# Altium PCB 2-quilter-output.pcbdoc (part 2 of 17)
Units mil, origin at the board's own origin, x right, y up, seen from the top; angles counter-clockwise.
Board outline 2728 x 2217 mil, 8 copper layers (L1_TOP, L2_GND, L3_INNER1, L4_GND, L5_PWR, L6_PWR, L7_GND, L8_BOT), stack 48.64 mil thick; 230 components, 327 nets, 1592 pads, 995 vias.
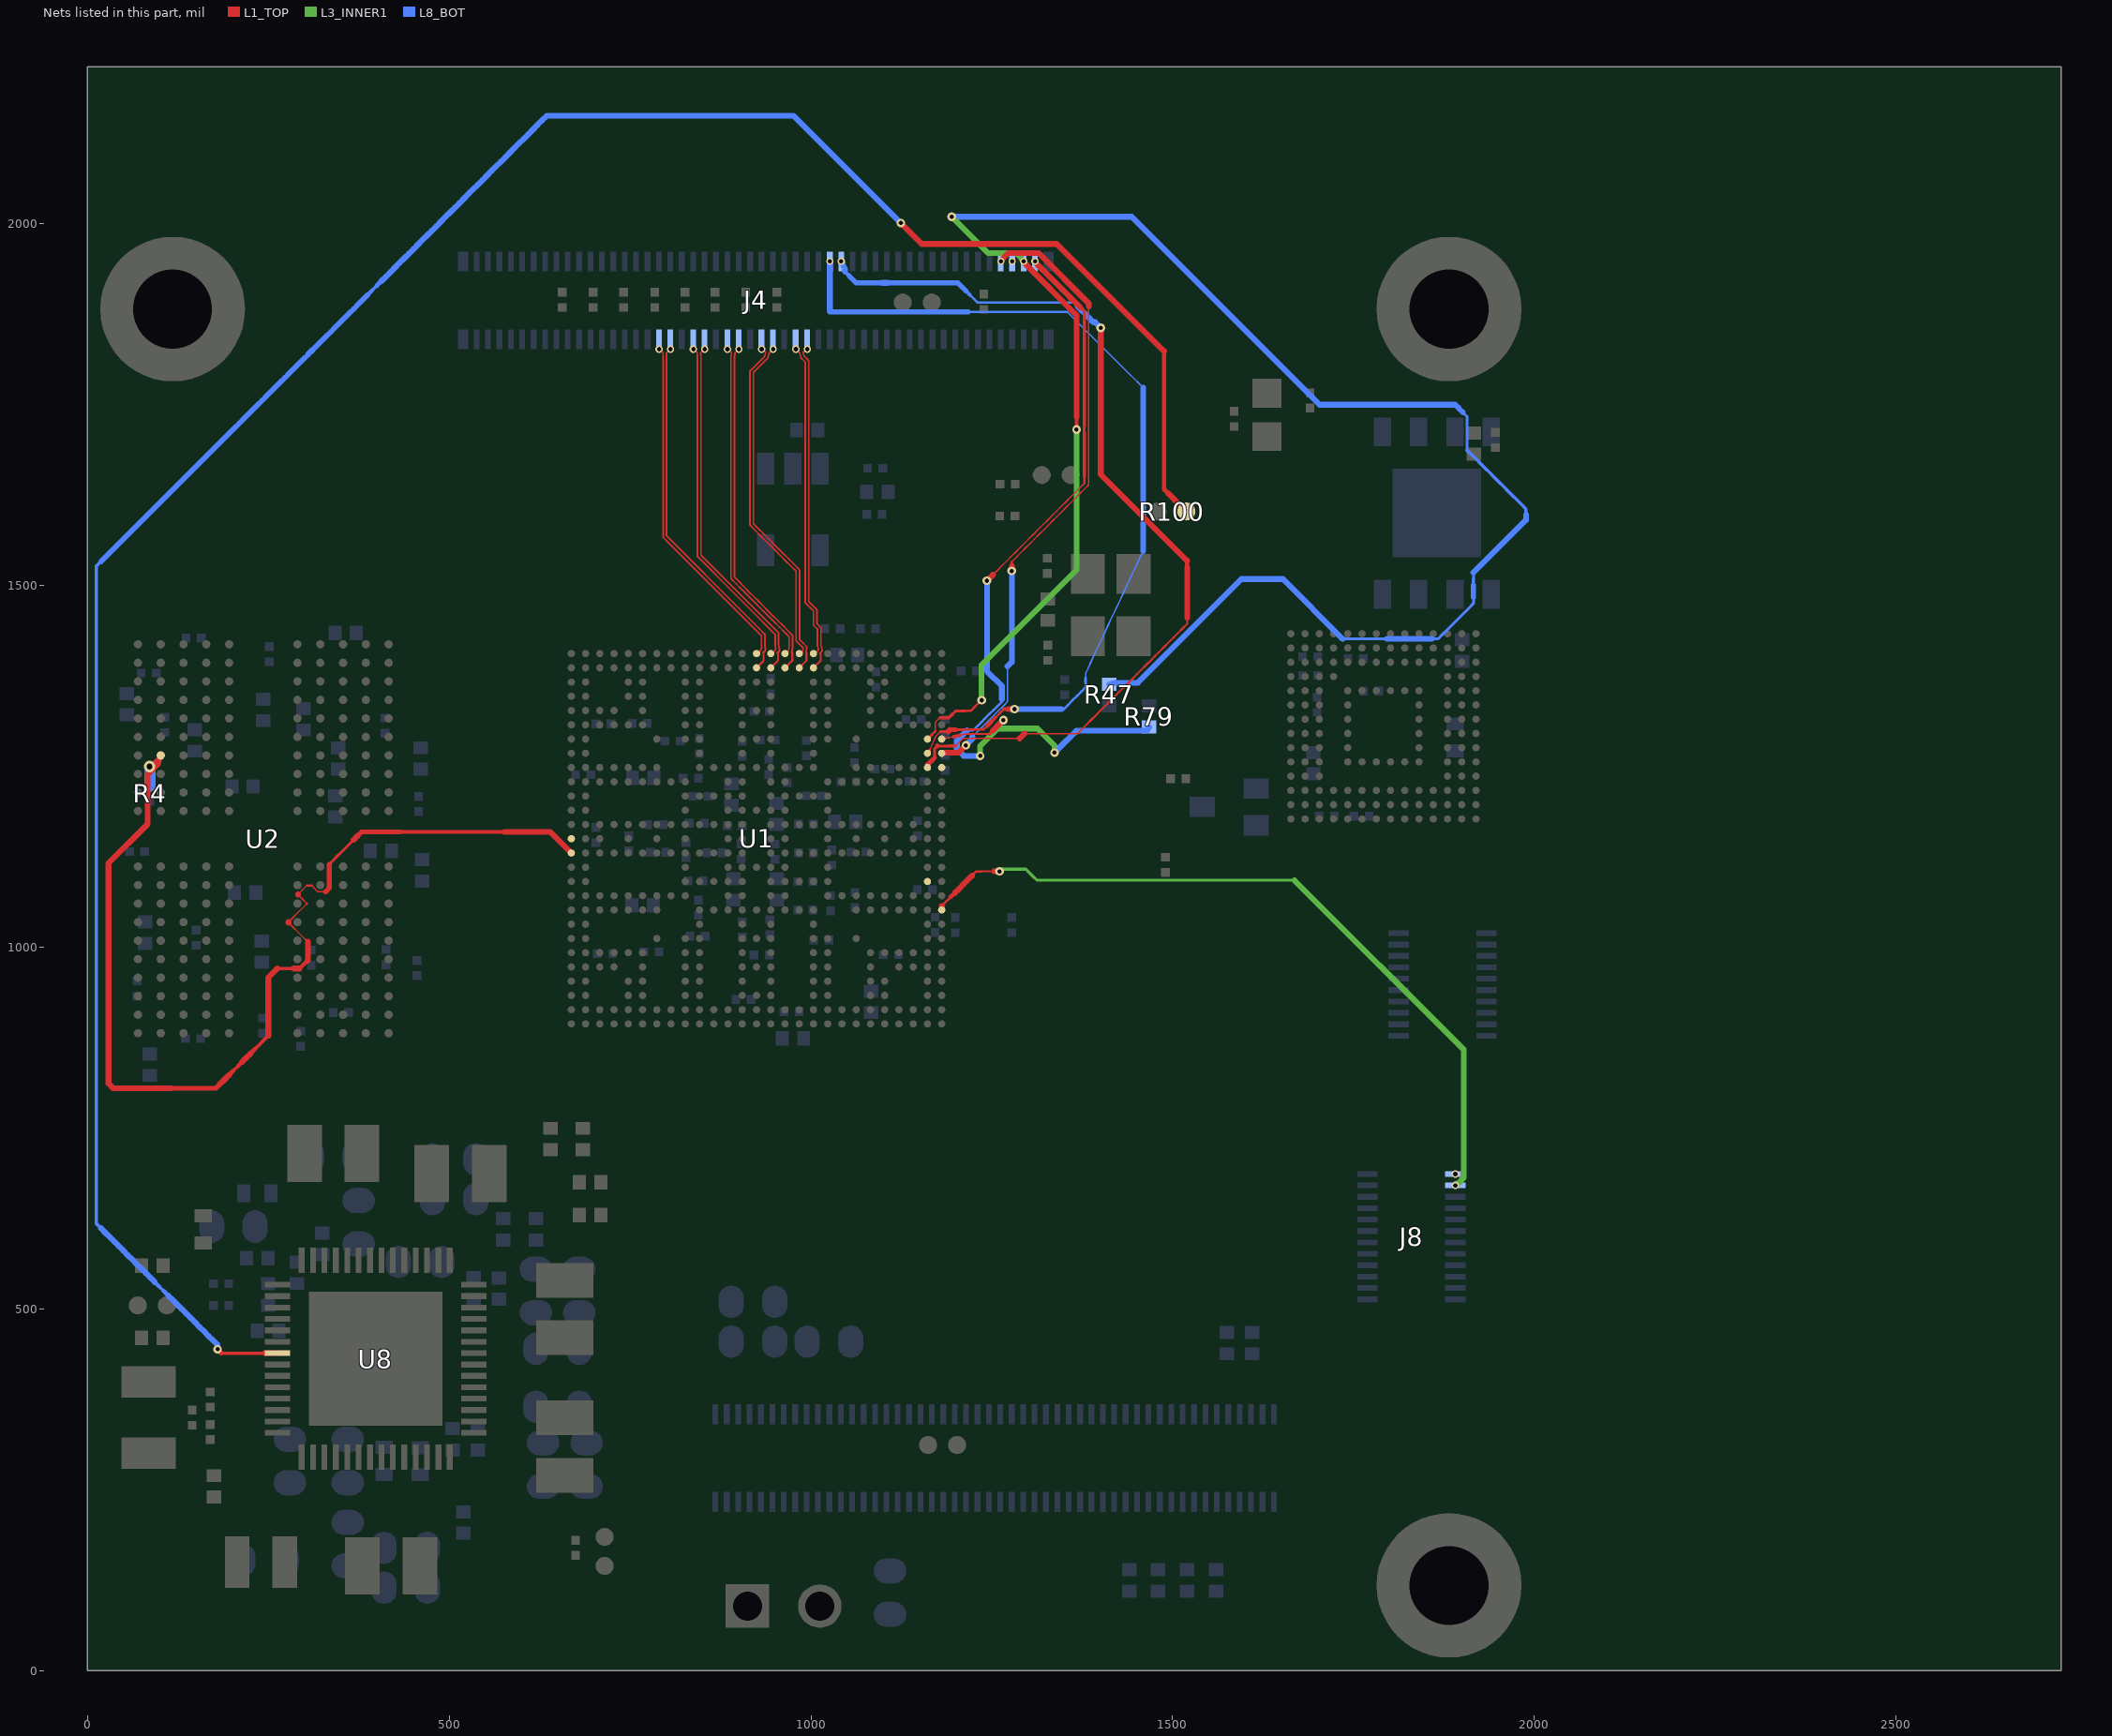
[diagram p8: the nets of this part, all layers, seen from the top]

## Footprints (in the part's own frame and the unit in brackets; to place one, negate y for a bottom-side part, rotate by r counter-clockwise, add the part's x,y. Pads: shape width x height; smd on the part's side, far side on the other; paste and mask are expansions set on the pad) (continued)
fbga153_0p5_11p5x13 [mil] "FBGA153_0P5_11P5X13"
  round 10 smd: A1(-127.95,127.95) A2(-108.27,127.95) A3(-88.58,127.95) A4(-68.9,127.95) A5(-49.21,127.95) A6(-29.53,127.95) A7(-9.84,127.95) A8(9.84,127.95) A9(29.53,127.95) A10(49.21,127.95) A11(68.9,127.95) A12(88.58,127.95) A13(108.27,127.95) A14(127.95,127.95) B1(-127.95,108.27) B2(-108.27,108.27) B3(-88.58,108.27) B4(-68.9,108.27) B5(-49.21,108.27) B6(-29.53,108.27) B7(-9.84,108.27) B8(9.84,108.27) B9(29.53,108.27) B10(49.21,108.27) B11(68.9,108.27) B12(88.58,108.27) B13(108.27,108.27) B14(127.95,108.27) C1(-127.95,88.58) C2(-108.27,88.58) C3(-88.58,88.58) C4(-68.9,88.58) C5(-49.21,88.58) C6(-29.53,88.58) C7(-9.84,88.58) C8(9.84,88.58) C9(29.53,88.58) C10(49.21,88.58) C11(68.9,88.58) C12(88.58,88.58) C13(108.27,88.58) C14(127.95,88.58) D1(-127.95,68.9) D2(-108.27,68.9) D3(-88.58,68.9) D4(-68.9,68.9) D12(88.58,68.9) D13(108.27,68.9) D14(127.95,68.9) E1(-127.95,49.21) E2(-108.27,49.21) E3(-88.58,49.21) E5(-49.21,49.21) E6(-29.53,49.21) E7(-9.84,49.21) E8(9.84,49.21) E9(29.53,49.21) E10(49.21,49.21) E12(88.58,49.21) E13(108.27,49.21) E14(127.95,49.21) F1(-127.95,29.53) F2(-108.27,29.53) F3(-88.58,29.53) F5(-49.21,29.53) F10(49.21,29.53) F12(88.58,29.53) F13(108.27,29.53) F14(127.95,29.53) G1(-127.95,9.84) G2(-108.27,9.84) G3(-88.58,9.84) G5(-49.21,9.84) G10(49.21,9.84) G12(88.58,9.84) G13(108.27,9.84) G14(127.95,9.84) H1(-127.95,-9.84) H2(-108.27,-9.84) H3(-88.58,-9.84) H5(-49.21,-9.84) H10(49.21,-9.84) H12(88.58,-9.84) H13(108.27,-9.84) H14(127.95,-9.84) J1(-127.95,-29.53) J2(-108.27,-29.53) J3(-88.58,-29.53) J5(-49.21,-29.53) J10(49.21,-29.53) J12(88.58,-29.53) J13(108.27,-29.53) J14(127.95,-29.53) K1(-127.95,-49.21) K2(-108.27,-49.21) K3(-88.58,-49.21) K5(-49.21,-49.21) K6(-29.53,-49.21) K7(-9.84,-49.21) K8(9.84,-49.21) K9(29.53,-49.21) K10(49.21,-49.21) K12(88.58,-49.21) K13(108.27,-49.21) K14(127.95,-49.21) L1(-127.95,-68.9) L2(-108.27,-68.9) L3(-88.58,-68.9) L12(88.58,-68.9) L13(108.27,-68.9) L14(127.95,-68.9) M1(-127.95,-88.58) M2(-108.27,-88.58) M3(-88.58,-88.58) M4(-68.9,-88.58) M5(-49.21,-88.58) M6(-29.53,-88.58) M7(-9.84,-88.58) M8(9.84,-88.58) M9(29.53,-88.58) M10(49.21,-88.58) M11(68.9,-88.58) M12(88.58,-88.58) M13(108.27,-88.58) M14(127.95,-88.58) N1(-127.95,-108.27) N2(-108.27,-108.27) N3(-88.58,-108.27) N4(-68.9,-108.27) N5(-49.21,-108.27) N6(-29.53,-108.27) N7(-9.84,-108.27) N8(9.84,-108.27) N9(29.53,-108.27) N10(49.21,-108.27) N11(68.9,-108.27) N12(88.58,-108.27) N13(108.27,-108.27) N14(127.95,-108.27) P1(-127.95,-127.95) P2(-108.27,-127.95) P3(-88.58,-127.95) P4(-68.9,-127.95) P5(-49.21,-127.95) P6(-29.53,-127.95) P7(-9.84,-127.95) P8(9.84,-127.95) P9(29.53,-127.95) P10(49.21,-127.95) P11(68.9,-127.95) P12(88.58,-127.95) P13(108.27,-127.95) P14(127.95,-127.95)
  silkscreen extent -266,-265 235,295, body extent -226,-256 226,256, height 36
GNDPOINT256 [mil] "GNDPOINT256"
  round 200 hole 109: 1(0,0)
HDR_1X2 [mil] "HDR_1X2"
  rect 60x60 / inner round 60 / far side rect 60x60 hole 40: 1(0,0)
  round 60 hole 40: 2(0,-100)
  L8_BOT keep-out region: -30,-35 -30,-65 30,-65 30,-35
  silkscreen extent -57,-157 57,57, body extent -51,-152 49,48, height 330
hvqfn56_0p4_7x7_ep4p7mm [mil] "HVQFN56_0P4_7X7_EP4P7MM"
  rect 35x8 smd: 1(-135.83,102.36) 2(-135.83,86.61) 3(-135.83,70.87) 4(-135.83,55.12) 5(-135.83,39.37) 6(-135.83,23.62) 7(-135.83,7.87) 8(-135.83,-7.87) 9(-135.83,-23.62) 10(-135.83,-39.37) 11(-135.83,-55.12) 12(-135.83,-70.87) 13(-135.83,-86.61) 14(-135.83,-102.36) 29(135.83,-102.36) 30(135.83,-86.61) 31(135.83,-70.87) 32(135.83,-55.12) 33(135.83,-39.37) 34(135.83,-23.62) 35(135.83,-7.87) 36(135.83,7.87) 37(135.83,23.62) 38(135.83,39.37) 39(135.83,55.12) 40(135.83,70.87) 41(135.83,86.61) 42(135.83,102.36)
  rect 8x35 smd: 15(-102.36,-135.83) 16(-86.61,-135.83) 17(-70.87,-135.83) 18(-55.12,-135.83) 19(-39.37,-135.83) 20(-23.62,-135.83) 21(-7.87,-135.83) 22(7.87,-135.83) 23(23.62,-135.83) 24(39.37,-135.83) 25(55.12,-135.83) 26(70.87,-135.83) 27(86.61,-135.83) 28(102.36,-135.83) 43(102.36,135.83) 44(86.61,135.83) 45(70.87,135.83) 46(55.12,135.83) 47(39.37,135.83) 48(23.62,135.83) 49(7.87,135.83) 50(-7.87,135.83) 51(-23.62,135.83) 52(-39.37,135.83) 53(-55.12,135.83) 54(-70.87,135.83) 55(-86.61,135.83) 56(-102.36,135.83)
  rect 185x185 smd paste-99999: 57(0,0)
  silkscreen extent -145,-145 145,145, body extent -138,-138 138,138, height 33
IND_2016A [mil] "IND_2016A"
  rect 34x71 smd: 1(-32.87,-0.08) 2(32.87,-0.08)
  silkscreen extent -45,-42 45,43, body extent -39,-24 39,24, height 37
ind_sph2520 [mil] "IND_SPH2520"
  rect 48x79 smd: 1(-39.75,0) 2(39.75,0)
  silkscreen extent -55,-50 52,50, body extent -49,-39 49,39, height 87
LED_0603 [mil] "LED_0603"
  rect 40x40 smd: A(-30,0) C(30,0)
  silkscreen extent -57,-95 57,27, body extent -33,-18 33,18, height 35
NXP_LOGO_SOLID_SMALL [mil] "NXP_LOGO_SOLID_SMALL"
  silkscreen extent 0,1 516,176
RC0402_25 [mil] "RC0402_25"
  round 25 smd: 1(-20,0) 2(20,0)
  L1_TOP keep-out region: 5,4 5,-4 5,-6.07 2.07,-9 -2.07,-9 -5,-6.07 -5,-4 -5,-4 -5,4 -5,6.07 -2.07,9 2.07,9 5,6.07 5,4
  body extent -23,-11 23,11, height 16
sc70_3 [mil] "SC70_3"
  rect 28x35 smd: 1(-25.5,-37.47) 2(25.5,-37.47) 3(0,37.47)
  silkscreen extent -51,-34 51,34, body extent -41,-45 41,45, height 39
sot23-5 [mil] "SOT23-5"
  rect 24x44 smd: 1(-37.4,-56.1) 2(0,-56.1) 3(37.4,-56.1) 4(37.4,56.1) 5(-37.4,56.1)
  silkscreen extent -69,-41 69,41, body extent -59,-55 59,55, height 46
UL_BOX [mil] "UL_BOX"
  silkscreen extent 0,0 700,200
XTAL2-3P2X1P5-SM [mil] "XTAL2-3P2X1P5-SM"
  rect 43x75 smd: 1(-49.21,0.02) 2(49.21,0.02)
  silkscreen extent -82,-48 82,48, body extent -63,-30 63,30, height 35
xtlosc4_3p2x2p5mm_sm [mil] "XTLOSC4_3P2X2P5MM_SM"
  rect 55x47 smd: 1(-43.29,-31.5) 2(43.33,-31.5) 3(43.33,31.5) 4(-43.29,31.5)
  silkscreen extent -78,-62 78,62, body extent -63,-49 63,49, height 28

## Part data
BH1 BH2 BH3: library part MOUNT_HOLE, "MOUNTING HOLE DRILL 109 PAD 200 PLATED TH NO PART TO ORDER", AGILE_PN=280-75147, ASSY_OPT=DNP, CAD_APPROVED=Yes, CLASS=IC, HEIGHT="0.005 MILS", PCB Footprint=GNDPOINT256, RoHS=Yes
  BH1: Part Reference=BH1
  BH2: Part Reference=BH2
  BH3: Part Reference=BH3
C1 C3 C5 C6 C8 C9 C17 C21 C23 C30 C99 C100 C101 C104 C114 C128 C129 C131 C132 C133 C136 C138 C235 C241 C244 C264 C370 C371 C372 C373 C374 C375 C376 C378 C379 C380 C381 C382 C384 C392 C393 C394 C400: library part CAP_NP, "CAP CER 0.22UF 10V 20% X5R 0201", Tolerance=20%, Voltage=10V, AGILE_PN=150-78815, CAD_APPROVED=Yes, CLASS=DISCRETE, HEIGHT=0.33MM, MFG_NAME01="Taiyo Yuden", MFG_PN01=LMK063BJ224MP-F, PCB Footprint=0201_CC, RoHS=Yes
  C1: FPLIST=CC0201,CC0201_HD,0201_CC,CC_0201_CIR,0201_CC_012SM_NSP, Part Reference=C1
  C3: FPLIST=CC0201,CC0201_HD,0201_CC, Part Reference=C3
  C5: FPLIST=CC0201,CC0201_HD,0201_CC, Part Reference=C5
  C6: FPLIST=CC0201,CC0201_HD,0201_CC, Part Reference=C6
  C8: FPLIST=CC0201,CC0201_HD,0201_CC, Part Reference=C8
  C9: FPLIST=CC0201,CC0201_HD,0201_CC, Part Reference=C9
  C17: FPLIST=CC0201,CC0201_HD,0201_CC, Part Reference=C17
  C21: FPLIST=CC0201,CC0201_HD,0201_CC, Part Reference=C21
  C23: FPLIST=CC0201,CC0201_HD,0201_CC, Part Reference=C23
  C30: FPLIST=CC0201,CC0201_HD,0201_CC,0201_CC_012SM_NSP, Part Reference=C30
  C99: FPLIST=CC0201,CC0201_HD,0201_CC, Part Reference=C99
  C100: FPLIST=CC0201,CC0201_HD,0201_CC, Part Reference=C100
  C101: FPLIST=CC0201,CC0201_HD,0201_CC, Part Reference=C101
  C104: FPLIST=CC0201,CC0201_HD,0201_CC, Part Reference=C104
  C114: FPLIST=CC0201,CC0201_HD,0201_CC, Part Reference=C114
  C128: FPLIST=CC0201,CC0201_HD,0201_CC, Part Reference=C128
  C129: FPLIST=CC0201,CC0201_HD,0201_CC, Part Reference=C129
  C131: FPLIST=CC0201,CC0201_HD,0201_CC, Part Reference=C131
  C132: FPLIST=CC0201,CC0201_HD,0201_CC, Part Reference=C132
  C133: FPLIST=CC0201,CC0201_HD,0201_CC, Part Reference=C133
  C136: FPLIST=CC0201,CC0201_HD,0201_CC, Part Reference=C136
  C138: FPLIST=CC0201,CC0201_HD,0201_CC, Part Reference=C138
  C235: FPLIST=CC0201,CC0201_HD,0201_CC, Part Reference=C235
  C241: FPLIST=CC0201,CC0201_HD,0201_CC, Part Reference=C241
  C244: FPLIST=CC0201,CC0201_HD,0201_CC,CC_0201_CIR,0201_CC_012SM_NSP, Part Reference=C244
  C264: FPLIST=CC0201,CC0201_HD,0201_CC, Part Reference=C264
  C370: FPLIST=CC0201,CC0201_HD,0201_CC, Part Reference=C370
  C371: FPLIST=CC0201,CC0201_HD,0201_CC, Part Reference=C371
  C372: FPLIST=CC0201,CC0201_HD,0201_CC, Part Reference=C372
  C373: FPLIST=CC0201,CC0201_HD,0201_CC, Part Reference=C373
  C374: FPLIST=CC0201,CC0201_HD,0201_CC, Part Reference=C374
  C375: FPLIST=CC0201,CC0201_HD,0201_CC, Part Reference=C375
  C376: FPLIST=CC0201,CC0201_HD,0201_CC, Part Reference=C376
  C378: FPLIST=CC0201,CC0201_HD,0201_CC, Part Reference=C378
  C379: FPLIST=CC0201,CC0201_HD,0201_CC, Part Reference=C379
  C380: FPLIST=CC0201,CC0201_HD,0201_CC, Part Reference=C380
  C381: FPLIST=CC0201,CC0201_HD,0201_CC, Part Reference=C381
  C382: FPLIST=CC0201,CC0201_HD,0201_CC, Part Reference=C382
  C384: FPLIST=CC0201,CC0201_HD,0201_CC, Part Reference=C384
  C392: FPLIST=CC0201,CC0201_HD,0201_CC, Part Reference=C392
  C393: FPLIST=CC0201,CC0201_HD,0201_CC, Part Reference=C393
  C394: FPLIST=CC0201,CC0201_HD,0201_CC, Part Reference=C394
  C400: FPLIST=CC0201,CC0201_HD,0201_CC, Part Reference=C400
C2 C11 C12 C13: library part CAP_NP, "CAP CER 2.2uF 16V 10% X5R 0402", Package Size=0402, Temp Range="-55C to +85C", Tolerance=10%, Voltage=16V, AGILE_PN=150-80176, CAD_APPROVED=Yes, CLASS=DISCRETE, FPLIST=CC0402_25,CC0402_HD,0402_CC, HEIGHT=0.6MM, MFG_NAME01=MURATA, MFG_PN01=GRM155R61C225KE44, PCB Footprint=0402_CC, RoHS=Yes, Temp_Range="-55C to +85C"
  C2: Part Reference=C2
  C11: Part Reference=C11
  C12: Part Reference=C12
  C13: Part Reference=C13
C10 C406 C407: library part CAP_NP, "CAP CER 1.0UF 10V 10% X5R 0402", Package Size=0402, Voltage=10V, AGILE_PN=150-75772, CAD_APPROVED=Yes, CLASS=DISCRETE, FPLIST=CC0402_25,CC0402_HD,0402_CC, HEIGHT=0.6MM, MFG_NAME01="YAGEO AMERICA", MFG_PN01=CC0402KRX5R6BB105, PCB Footprint=0402_CC, RoHS=Yes
  C10: Part Reference=C10
  C406: Part Reference=C406
  C407: Part Reference=C407
C15 C16 C35 C36 C48 C54 C61 C65 C74 C78 C90 C91 C92 C93 C94 C95 C137 C248 C251 C253 C254 C255 C256 C267 C333 C337 C391 C408: library part CAP_NP, "CAP CER 1uF 6.3V 20% X5R 0201", Package Size=0201, Package Type="7¡± reel", Tolerance=20%, Voltage=6.3V, AGILE_PN=150-79407, CAD_APPROVED=Yes, CLASS=DISCRETE, FPLIST=CC0201,CC0201_HD,0201_CC,0201_CC_012SM_NSP, HEIGHT=0.35MM, MFG_NAME01=AVX, MFG_PN01=02016D105MAT2A, PCB Footprint=0201_CC, RoHS=Yes
  C15: Part Reference=C15
  C16: Part Reference=C16
  C35: Part Reference=C35
  C36: Part Reference=C36
  C48: Part Reference=C48
  C54: Part Reference=C54
  C61: Part Reference=C61
  C65: Part Reference=C65
  C74: Part Reference=C74
  C78: Part Reference=C78
  C90: Part Reference=C90
  C91: Part Reference=C91
  C92: Part Reference=C92
  C93: Part Reference=C93
  C94: Part Reference=C94
  C95: Part Reference=C95
  C137: Part Reference=C137
  C248: Part Reference=C248
  C251: Part Reference=C251
  C253: Part Reference=C253
  C254: Part Reference=C254
  C255: Part Reference=C255
  C256: Part Reference=C256
  C267: Part Reference=C267
  C333: Part Reference=C333
  C337: Part Reference=C337
  C391: Part Reference=C391
  C408: Part Reference=C408
C20 C33 C55 C88 C89 C105 C106 C108 C109 C110 C111 C112 C113 C115 C117 C118 C119 C130 C139 C247 C265 C266: library part CAP_NP, "CAP CER 10UF 6.3V 20% X5R 0402", Tolerance=20%, Voltage=6.3V, 3D_Mechanical_Footprint_File=cc0402_tol0p2, AGILE_PN=150-79163, CAD_APPROVED=Yes, CLASS=DISCRETE, FPLIST=CC0402_25,CC0402_HD,0402_CC, HEIGHT="0.7 MM", MFG_NAME01="SAMSUNG ELECTRO MECHANICS", MFG_PN01=CL05A106MQ5NUNC, PCB Footprint=0402_cc_nsp, RoHS=Yes
  C20: Part Reference=C20
  C33: Part Reference=C33
  C55: Part Reference=C55
  C88: Part Reference=C88
  C89: Part Reference=C89
  C105: Part Reference=C105
  C106: Part Reference=C106
  C108: Part Reference=C108
  C109: Part Reference=C109
  C110: Part Reference=C110
  C111: Part Reference=C111
  C112: Part Reference=C112
  C113: Part Reference=C113
  C115: Part Reference=C115
  C117: Part Reference=C117
  C118: Part Reference=C118
  C119: Part Reference=C119
  C130: Part Reference=C130
  C139: Part Reference=C139
  C247: Part Reference=C247
  C265: Part Reference=C265
  C266: Part Reference=C266
C123 C124: library part CAP_NP, "CAP CER 12PF 25V 5% C0G AEC-Q200 0201", Tolerance=5%, Voltage=25V, AGILE_PN=150-79813, CAD_APPROVED=Yes, CLASS=DISCRETE, FPLIST=CC0201,CC0201_HD,0201_CC, HEIGHT=0.33MM, MFG_NAME01=TDK, MFG_PN01=CGA1A2C0G1E120J030BA, PCB Footprint=0201_CC, RoHS=Yes
  C123: Part Reference=C123
  C124: Part Reference=C124
C127 C234 C260 C323 C360 C363 C410: library part CAP_NP, "CAP CER 4.7uF 10V 10% X5R 0402", Tolerance=10%, Voltage=10V, 3D_Mechanical_Footprint_File=cc0402_tol0p15, AGILE_PN=150-80044, CAD_APPROVED=Yes, CLASS=DISCRETE, FPLIST=CC0402_25,CC0402_HD,0402_CC, HEIGHT=0.65MM, MFG_NAME01="SAMSUNG ELECTRO MECHANICS", MFG_PN01=CL05A475KP5NRNC, RoHS=Yes
  C127: Part Reference=C127, PCB Footprint=cc0402_tol0p15
  C234: Part Reference=C234, PCB Footprint=0402_cc_nsp
  C260: Part Reference=C260, PCB Footprint=0402_cc_nsp
  C323: Part Reference=C323, PCB Footprint=cc0402_tol0p15
  C360: Part Reference=C360, PCB Footprint=cc0402_tol0p15
  C363: Part Reference=C363, PCB Footprint=cc0402_tol0p15
  C410: Part Reference=C410, PCB Footprint=cc0402_tol0p15
C245 C298 C299: library part CAP_NP, "CAP CER 18pF 50V 5% C0G 0201", Package Size=0201, Package Type="&#966;180mm Paper taping", Tolerance=5%, Voltage=50V, AGILE_PN=150-79476, CAD_APPROVED=Yes, CLASS=DISCRETE, FPLIST=CC0201,CC0201_HD,0201_CC, HEIGHT=0.33MM, MFG_NAME01=MURATA, MFG_PN01=GRM0335C1H180JA01D, PCB Footprint=0201_CC, RoHS=Yes
  C245: Part Reference=C245
  C298: Part Reference=C298
  C299: Part Reference=C299
C268: library part CAP_NP, "CAP CER 2200PF 16V 10% X7R 0201", Tolerance=20%, Voltage=16V, AGILE_PN=150-78660, CAD_APPROVED=Yes, CLASS=DISCRETE, FPLIST=CC0201,CC0201_HD,0201_CC, HEIGHT="0.33 MM", MFG_NAME01=MURATA, MFG_PN01=GRM033R71C222KA88D, Part Reference=C268, PCB Footprint=0201_CC, RoHS=Yes
C275 C283 C285 C287 C303 C304 C311 C312 C317 C324 C403 C404: library part CAP_NP, "CAP CER 22uF 10V 20% X5R 0603", Package Size=0603, Tolerance=20%, Voltage=10V, AGILE_PN=150-79530, CAD_APPROVED=Yes, CLASS=DISCRETE, FPLIST=CC0603_OV,CC0603,0603_CC, HEIGHT=1MM, MFG_NAME01=TDK, MFG_PN01=C1608X5R1A226M080AC, PCB Footprint=CC0603_OV, RoHS=Yes, SIGNAL_MODEL=DEFAULT_CAPACITOR_2.2e+07pF_2_1, WVDC=6.3V
  C275: Part Reference=C275
  C283: Part Reference=C283
  C285: ASSY_OPT=DNP, Part Reference=C285
  C287: ASSY_OPT=DNP, Part Reference=C287
  C303: Part Reference=C303
  C304: ASSY_OPT=DNP, Part Reference=C304
  C311: Part Reference=C311
  C312: Part Reference=C312
  C317: Part Reference=C317
  C324: Part Reference=C324
  C403: Part Reference=C403
  C404: Part Reference=C404
C279 C281 C295 C301 C306 C307 C316 C401 C402: library part CAP_NP, "CAP CER 10.0uF 16V 10% X5R 0603", Package Size=0603, Package Type=SMT, Temp Range="-55¡ãC to +85¡ãC", Tolerance=10%, Voltage=16V, AGILE_PN=150-80060, CAD_APPROVED=Yes, CLASS=DISCRETE, FPLIST=CC0603_OV,CC0603,0603_CC,cc0603_0805_nsp, HEIGHT=0.9MM, MFG_NAME01=MURATA, MFG_PN01=GRM188R61C106KAALD, PCB Footprint=CC0603_OV, RoHS=Yes, Temp_Range="-55¡ãC to +85¡ãC"
  C279: Part Reference=C279
  C281: Part Reference=C281
  C295: Part Reference=C295
  C301: Part Reference=C301
  C306: Part Reference=C306
  C307: Part Reference=C307
  C316: Part Reference=C316
  C401: Part Reference=C401
  C402: Part Reference=C402
C365: library part CAP_NP, "CAP CER 1.0UF 16V 10% X5R 0603", Package Size=0603, Tolerance=10%, Voltage=16V, AGILE_PN=150-30124, CAD_APPROVED=Yes, CLASS=DISCRETE, FPLIST=CC0603_OV,CC0603,0603_CC, HEIGHT=0.90MM, MFG_NAME01=TDK, MFG_PN01=C1608X5R1C105K, Part Reference=C365, PCB Footprint=CC0603_OV, RoHS=Yes
C405: library part CAP_NP, "CAP CER 2.2uF 10V 10% X5R 0402", Package Size=0402, Tolerance=10%, Voltage=10V, AGILE_PN=150-78974, ASSY_OPT=DNP, CAD_APPROVED=Yes, CLASS=DISCRETE, FPLIST=CC0402_25,CC0402_HD,0402_CC, HEIGHT="0.55 MM", MFG_NAME01=TDK, MFG_PN01=C1005X5R1A225K, Part Reference=C405, PCB Footprint=0402_CC, RoHS=Yes
D1: library part LED, "LED GRN SGL 25MA SMT 0603", Voltage=2V, AGILE_PN=370-76672, CAD_APPROVED=Yes, CLASS=IC, HEIGHT="0.8 MM", MFG_NAME01=DIALIGHT, MFG_PN01=598-8070-107F, Part Reference=D1, PCB Footprint=LED_0603, RoHS=Yes
J4: library part HDR_2X50_M, "CON 2X50 PLUG SHRD SMT 0.4MM SP 51H AU", Temp Range="-35 to 85 &#8451;", AGILE_PN=211-80305, CAD_APPROVED=Yes, CLASS=IO, HEIGHT=1.29MM, MFG_NAME01=HIROSE, MFG_PN01=DF40C-100DP-0.4V(51), Part Reference=J4, PCB Footprint=con100_0p4_21p7x2p05_sm, RoHS=Yes, Temp_Range="-35 to 85 &#8451;"
J5: library part HDR_2X50_M, "CON 2X50 SKT SHRD SMT 0.4MM SP 65H AU", Package Type=SMT, Temp Range="-35C to +85C", AGILE_PN=211-80183, CAD_APPROVED=Yes, CLASS=IO, HEIGHT="1.65 MM", MFG_NAME01=HIROSE, MFG_PN01=DF40C-100DS-0.4V(51), Part Reference=J5, PCB Footprint=con100_0p4_22p8x3p1_sm, RoHS=Yes, Temp_Range="-35C to +85C"
J6: library part CONN_HDR_2X1, "HDR 1X2 TH 100MIL SP 339H AU 98L", Temp Range="-55¡ãC to +125¡ãC", AGILE_PN=210-75439, ASSY_OPT=DNP, CAD_APPROVED=YES, CLASS=IO, FPLIST=HDR102,SH_HDR102_BOTTOM, HEIGHT="8.71 MM", MFG_NAME01=SAMTEC, MFG_PN01=TSW-102-07-G-S, Part Reference=J6, PCB Footprint=HDR_1X2, RoHS=Yes
J7: library part CONN_HDR_10X2, "CON 2X10 SKT SHRD SMT 0.4MM SP 63H AU", Temp Range="-35C to 85C", AGILE_PN=211-80328, CAD_APPROVED=Yes, CLASS=IO, HEIGHT=1.6MM, MFG_NAME01=HIROSE, MFG_PN01=DF40C-20DS-0.4V(51), Part Reference=J7, PCB Footprint=con20_0p4_6p8x3p1_sm, RoHS=Yes, Temp_Range="-35C to 85C"
J8: library part CONN_HDR_12X2, "CON 2X12 SKT SHRD SMT 0.4MM SP 65H AU", Package Type=SMT, AGILE_PN=211-79877, CAD_APPROVED=Yes, CLASS=IO, HEIGHT=1.65MM, MFG_NAME01=HIROSE, MFG_PN01=DF40C-24DS-0.4V(51), Part Reference=J8, PCB Footprint=con24_0p4_7p6x3p08_sm, RoHS=Yes
L5 L6 L10 L15: library part INDUCTOR, "IND PWR 0.47uH@1MHZ 4.7A 20% SMT", Temp Range="-40¡ãC to +125¡ãC", Tolerance=20%, AGILE_PN=180-78647, CAD_APPROVED=Yes, CLASS=DISCRETE, HEIGHT=1.2MM, MFG_NAME01="SHENZHEN SUNLORD ELECTRONICS CO., LTD", MFG_PN01=WPN252012ER47MT, PART_TYPE=INDUCTOR\POWER, PCB Footprint=ind_sph2520, RoHS=Yes, Temp_Range="-40¡ãC to +125¡ãC", TOL=20%
  L5: Part Reference=L5, SILK=0V8
  L6: Part Reference=L6, SILK=0V9
  L10: Part Reference=L10, SILK=0V9
  L15: Part Reference=L15, SILK=1V1
L11: library part INDUCTOR, "IND PWR 1uH@1MHZ 4.2A 20% SMT", Temp Range="-40C - +125C", AGILE_PN=180-78601, CAD_APPROVED=Yes, CLASS=DISCRETE, HEIGHT=1.2MM, MFG_NAME01="SHENZHEN SUNLORD ELECTRONICS CO., LTD", MFG_PN01=WPN252012H1R0MT, Part Reference=L11, PART_TYPE=INDUCTOR\POWER, PCB Footprint=ind_sph2520, RoHS=Yes, SILK=3V3, Temp_Range="-40C - +125C"
L13: library part INDUCTOR, "IND WW 0.47uH@1MHz 3.4A 20% 2016", Temp Range="-40C to +85C", Tolerance=20%, Voltage="20V DC", AGILE_PN=180-78630, CAD_APPROVED=Yes, CLASS=DISCRETE, HEIGHT=1.2MM, MFG_NAME01=MURATA, MFG_PN01=1286AS-H-R47M=P2, Part Reference=L13, PART_TYPE=INDUCTOR, PCB Footprint=IND_2016A, RoHS=Yes, SILK=1V8, Temp_Range="-40C to +85C"
Q1: library part NMOS_NX3008NBK, "TRAN NMOS SW 30V 350mA AEC-Q101 SC-70", AGILE_PN=480-79736, CAD_APPROVED=Yes, CLASS=IC, HEIGHT=1.1MM, MFG_NAME01=NEXPERIA, MFG_PN01=NX3008NBKW,115, Part Reference=Q1, PCB Footprint=sc70_3, RoHS=Yes
QZ2: library part XTAL, "XTAL 32.768KHZ 12.5PF 20PPM 3.2X1.5MM SMT", AGILE_PN=230-77653, CAD_APPROVED=Yes, CLASS=IC, HEIGHT=0.9MM, MFG_NAME01="Abracon Corporation", MFG_PN01=ABS07-32.768KHZ-T, Part Reference=QZ2, PCB Footprint=XTAL2-3P2X1P5-SM, RoHS=Yes
R4 R18 R23 R117 R118 R119 R120 R121 R122 R123 R124: library part RES, "RES MF 10K 1/20W 5% 0201", Tolerance=5%, AGILE_PN=470-79719, CAD_APPROVED=Yes, CLASS=DISCRETE, FPLIST=RC0201,0201_CC, HEIGHT="0.26 MM", MFG_NAME01="RALEC ELECTRONIC CORP", MFG_PN01=RTT01103JTH, PCB Footprint=0201_CC, RoHS=Yes
  R4: Part Reference=R4
  R18: Part Reference=R18
  R23: Part Reference=R23
  R117: ASSY_OPT=DNP, Part Reference=R117
  R118: ASSY_OPT=DNP, Part Reference=R118
  R119: ASSY_OPT=DNP, Part Reference=R119
  R120: ASSY_OPT=DNP, Part Reference=R120
  R121: ASSY_OPT=DNP, Part Reference=R121
  R122: ASSY_OPT=DNP, Part Reference=R122
  R123: ASSY_OPT=DNP, Part Reference=R123
  R124: ASSY_OPT=DNP, Part Reference=R124
R5 R6 R7: library part RES, "RES MF 240 OHM 1/20W 1% 0201", Temp Range="-55¡ãC ~ 125¡ãC", Tolerance=1%, Voltage=25V, AGILE_PN=470-81317, CAD_APPROVED=Yes, CLASS=DISCRETE, FPLIST=CC0201,CC0201_HD,0201_CC, HEIGHT=0.26MM, MFG_NAME01="YAGEO AMERICA", MFG_PN01=RC0201FR-07240RL, PCB Footprint=0201_CC, RoHS=Yes, Temp_Range="-55¡ãC ~ 125¡ãC"
  R5: Part Reference=R5
  R6: ASSY_OPT=DNP, Part Reference=R6
  R7: Part Reference=R7
R8 R9: library part RES, "RES MF 150 OHM 1/16W 1% 0402", Tolerance=1%, AGILE_PN=470-75353, ASSY_OPT=DNP, CAD_APPROVED=Yes, CLASS=DISCRETE, FPLIST=RC0402_25,RC0402_HD,0402_CC, HEIGHT=0.4MM, MFG_NAME01="NIC COMPONENTS CORP", MFG_PN01=NRCL04F1500TRF, PCB Footprint=0402_CC, RoHS=Yes
  R8: Part Reference=R8
  R9: Part Reference=R9
R10 R11 R12 R13 R14 R15 R16 R17 R133: library part RES, "RES MF 4.7K 1/20W 5% AEC-Q200 0201", Temp Range="-55C to +155C", Tolerance=5%, AGILE_PN=470-79700, CAD_APPROVED=Yes, CLASS=DISCRETE, FPLIST=RC0201,0201_CC, HEIGHT=0.25MM, MFG_NAME01="KOA SPEER", MFG_PN01=RK73B1HTTC472J, PCB Footprint=0201_CC, RoHS=Yes, Temp_Range="-55C to +155C"
  R10: Part Reference=R10
  R11: Part Reference=R11
  R12: Part Reference=R12
  R13: Part Reference=R13
  R14: Part Reference=R14
  R15: Part Reference=R15
  R16: ASSY_OPT=DNP, Part Reference=R16
  R17: ASSY_OPT=DNP, Part Reference=R17
  R133: Part Reference=R133
R20 R21 R102 R103 R106 R135: library part RES, "RES MF 100K 1/20W 1% 0201", Tolerance=1%, AGILE_PN=470-77704, CAD_APPROVED=Yes, CLASS=DISCRETE, FPLIST=RC0201,0201_CC, HEIGHT=0.26MM, MFG_NAME01=SKYMOS, MFG_PN01=RC-0201-104FT, PCB Footprint=0201_CC, RoHS=Yes
  R20: Part Reference=R20
  R21: Part Reference=R21
  R102: ASSY_OPT=DNP, Part Reference=R102
  R103: Part Reference=R103
  R106: Part Reference=R106
  R135: Part Reference=R135
R26: library part RES, "RES MF 510K 1/16W 5% 0402", Tolerance=5%, AGILE_PN=470-76166, CAD_APPROVED=Yes, CLASS=DISCRETE, FPLIST=RC0402_25,RC0402_HD,0402_CC, HEIGHT="0.4 MM", MFG_NAME01=PANASONIC, MFG_PN01=ERJ-2GEJ514X, Part Reference=R26, PCB Footprint=0402_CC, RoHS=Yes
R28: library part RES, "RES MF 8.2K  1/10W 1% AEC-Q200 0402", Temp Range="-55¡ãC to +155¡ãC", Tolerance=1%, AGILE_PN=470-30937, CAD_APPROVED=Yes, CLASS=DISCRETE, FPLIST=RC0402_25,RC0402_HD,0402_CC, HEIGHT="0.40 MM", MFG_NAME01="KOA SPEER", MFG_PN01=RK73H1ETTP8201F, Part Reference=R28, PCB Footprint=0402_CC, RoHS=Yes, Temp_Range="-55¡ãC to +155¡ãC"
R29 R30: library part RES, "RES MF 200 OHM 1/20W 1% 0201", Temp Range="-55¡ãC ~ 125¡ãC", Tolerance=1%, Voltage=25V, AGILE_PN=470-82323, CAD_APPROVED=Yes, CLASS=DISCRETE, FPLIST=RC0201,0201_CC, HEIGHT=0.26MM, MFG_NAME01="YAGEO AMERICA", MFG_PN01=RC0201FR-07200RL, PCB Footprint=0201_CC, RoHS=Yes, Temp_Range="-55¡ãC ~ 125¡ãC"
  R29: Part Reference=R29
  R30: Part Reference=R30
R37 R47 R71 R72 R75 R76 R79 R95 R97: library part RES, "RES MF 10K 1/16W 5% 0402", Tolerance=5%, AGILE_PN=470-75557, CAD_APPROVED=Yes, CLASS=DISCRETE, FPLIST=RC0402_25,RC0402_HD,0402_CC, HEIGHT="0.4 MM", MFG_NAME01="VISHAY INTERTECHNOLOGY", MFG_PN01=CRCW040210K0JNED, PCB Footprint=0402_CC, RoHS=Yes
  R37: Part Reference=R37
  R47: ASSY_OPT=DNP, Part Reference=R47, TOL=5%
  R71: ASSY_OPT=DNP, Part Reference=R71, TOL=5%
  R72: ASSY_OPT=DNP, Part Reference=R72, TOL=5%
  R75: ASSY_OPT=DNP, Part Reference=R75, TOL=5%
  R76: ASSY_OPT=DNP, Part Reference=R76, TOL=5%
  R79: ASSY_OPT=DNP, Part Reference=R79, TOL=5%
  R95: ASSY_OPT=DNP, Part Reference=R95, TOL=5%
  R97: ASSY_OPT=DNP, Part Reference=R97, TOL=5%
R48 R51 R52 R54 R55 R100 R111 R113 R114 R116 R127 R134 R140 R141 R142 R143 R144 R145 R146: library part RES, "RES MF ZERO OHM 1/16W 5% 0402", Tolerance=5%, Voltage=1/16W, AGILE_PN=470-75394, CAD_APPROVED=Yes, CLASS=DISCRETE, HEIGHT="0.45 MM", MFG_NAME01=ROHM, MFG_PN01=MCR01MZPJ000, RoHS=Yes
  R48: FPLIST=RC0402_25,RC0402_HD,RC0402_X2,0402_CC, Part Reference=R48, PCB Footprint=0402_CC
  R51: Part Reference=R51, PCB Footprint=0402_CC
  R52: FPLIST=RC0402_25,RC0402_HD,RC0402_X2,0402_CC, Part Reference=R52, PCB Footprint=0402_CC
  R54: FPLIST=RC0402_25,RC0402_HD,RC0402_X2,0402_CC, Part Reference=R54, PCB Footprint=0402_CC
  R55: FPLIST=RC0402_25,RC0402_HD,RC0402_X2,0402_CC, Part Reference=R55, PCB Footprint=RC0402_25
  R100: Part Reference=R100, PCB Footprint=RC0402_25, SIGNAL_MODEL=DEFAULT_RESISTOR_10000OHM_2_1, TOL=1%
  R111: Part Reference=R111, PCB Footprint=0402_CC, SIGNAL_MODEL=DEFAULT_RESISTOR_10000OHM_2_1, TOL=1%
  R113: FPLIST=RC0402_25,RC0402_HD,RC0402_X2,0402_CC, Part Reference=R113, PCB Footprint=RC0402_25, SIGNAL_MODEL=DEFAULT_RESISTOR_10000OHM_2_1, TOL=1%
  R114: Part Reference=R114, PCB Footprint=0402_CC
  R116: ASSY_OPT=DNP, Part Reference=R116, PCB Footprint=RC0402_25
  R127: FPLIST=RC0402_25,RC0402_HD,RC0402_X2,0402_CC, Part Reference=R127, PCB Footprint=RC0402_25
  R134: Part Reference=R134, PCB Footprint=RC0402_25, SIGNAL_MODEL=DEFAULT_RESISTOR_10000OHM_2_1, TOL=1%
  R140: ASSY_OPT=DNP, FPLIST=RC0402_25,RC0402_HD,RC0402_X2,0402_CC, Part Reference=R140, PCB Footprint=0402_CC
  R141: FPLIST=RC0402_25,RC0402_HD,RC0402_X2,0402_CC, Part Reference=R141, PCB Footprint=0402_CC
  R142: ASSY_OPT=DNP, FPLIST=RC0402_25,RC0402_HD,RC0402_X2,0402_CC, Part Reference=R142, PCB Footprint=0402_CC
  R143: FPLIST=RC0402_25,RC0402_HD,RC0402_X2,0402_CC, Part Reference=R143, PCB Footprint=0402_CC
  R144: ASSY_OPT=DNP, FPLIST=RC0402_25,RC0402_HD,RC0402_X2,0402_CC, Part Reference=R144, PCB Footprint=0402_CC
  R145: FPLIST=RC0402_25,RC0402_HD,RC0402_X2,0402_CC, Part Reference=R145, PCB Footprint=0402_CC
  R146: Part Reference=R146, PCB Footprint=0402_CC
R57: library part RES, "RES MF 1.0M 1/20W 5% AEC-Q200 0201", Temp Range="55¡ãC ~ 125¡ãC", Tolerance=5%, Voltage=25V, AGILE_PN=470-79975, ASSY_OPT=DNP, CAD_APPROVED=Yes, CLASS=DISCRETE, FPLIST=RC0201,0201_CC, HEIGHT=0.26MM, MFG_NAME01=PANASONIC, MFG_PN01=ERJ-1GNJ105C, Part Reference=R57, PCB Footprint=0201_CC, RoHS=Yes, Temp_Range="55¡ãC ~ 125¡ãC"
R108 R109: library part RES, "RES MF 30K 1/20W 1% 0201", Temp Range="-55¡ãC ~ 155¡ãC", Tolerance=1%, Voltage=25V, AGILE_PN=470-81353, CAD_APPROVED=Yes, CLASS=DISCRETE, FPLIST=RC0201,0201_CC, HEIGHT=0.26MM, MFG_NAME01="YAGEO AMERICA", MFG_PN01=RC0201FR-0730KL, PCB Footprint=0201_CC, RoHS=Yes, Temp_Range="-55¡ãC ~ 155¡ãC"
  R108: Part Reference=R108
  R109: Part Reference=R109
R125: library part RES, "RES MF 1.0K 1/20W 5% 0201", Temp Range="-55¡ãC ~ 125¡ãC", Tolerance=5%, Voltage=25V, AGILE_PN=470-81318, CAD_APPROVED=Yes, CLASS=DISCRETE, FPLIST=RC0201,0201_CC, HEIGHT=0.26MM, MFG_NAME01="WALSIN TECHNOLOGY CORP.", MFG_PN01="WR02X102 JAL", Part Reference=R125, PCB Footprint=0201_CC, RoHS=Yes, Temp_Range="-55¡ãC ~ 125¡ãC"
U1: library part MIMX8MM_BGA486P, "IC CPU QUAD CORTEX A53+M4 1.8GHZ BGA486", AGILE_PN=TMP-WF-32905, CAD_APPROVED=Yes, CLASS=IC, ClassName=CPU, HEIGHT=1.25MM, MFG_NAME01="NXP SEMICONDUCTORS", MFG_PN01=MIMX8MM6DVTLZAA, Part Reference=U1, PCB Footprint=bga486_0p5_14x14, PRE_APN=330-77072, RoHS=Yes, SPLIT_INST=TRUE
U2: library part MT53D512M32D2DS_BGA200P, "IC MEM MOBILE LPDDR4 DUAL-CH SINGLE RANK DISCRETE 512MbX32 1.1V  WFBGA200", Temp Range="-25¡ãC - 85¡ãC", AGILE_PN=334-77927, CAD_APPROVED=Yes, CLASS=IC, HEIGHT=0.8MM, MFG_NAME01=MICRON, MFG_PN01="MT53E512M32D2NP-046 WT:F", Part Reference=U2, PCB Footprint=bga200_0p65x0p8_10p1x14p6, RoHS=Yes, SPLIT_INST=TRUE, SWAP_INFO=(S1+S2)
U4: library part SDINBDG4-16G_VFBGA_153P, "IC MEM NAND FLASH 32GB eMMC 5.1 CTLR 2.7-3.6V FBGA153", Package Size="11.5 mm x 13 mm x 1 mm", Supply Voltage="2.7 V to 3.6 V", Temp Range="-25¡ãC to +85¡ãC", Voltage=2.7-3.6V, AGILE_PN=342-00840, CLASS=IC, HEIGHT=1MM, MFG_NAME01=SanDisk, MFG_PN01=SDINBDG4-32G-I1, Part Reference=U4, PCB Footprint=fbga153_0p5_11p5x13, RoHS=YES
U5: library part MT25QL256ABA1EW9_9P, "IC MEM FLASH SERIAL NOR 256MBIT 166MHZ 1.7-2V WPDFN8", Voltage=1.7-2V, AGILE_PN=334-77688, CAD_APPROVED=Yes, CLASS=IC, HEIGHT="0.8 MM", MFG_NAME01=MICRON, MFG_PN01=MT25QU256ABA1EW7-0SIT, Part Reference=U5, PCB Footprint=dfn8_1p27_6x5mm_3p1, RoHS=Yes
U8: library part PCA9450_HVQFN56P_A, "IC POWER MANAGEMENT 2.7-5.5V HVQFN56", Temp Range="-40 to 105C", Voltage=2.7-5.5V, AGILE_PN=TMP-WF-35243, CAD_APPROVED=Yes, CLASS=IC, HEIGHT=1MM, MFG_NAME01="NXP SEMICONDUCTORS", MFG_PN01=PCA9450AAHN, Part Reference=U8, PCB Footprint=hvqfn56_0p4_7x7_ep4p7mm, PRE_APN=315-82190, RoHS=Yes, SPLIT_INST=TRUE, SWAP_INFO=(S1+S2+S3), Temp_Range="-40 to 105C"
U10: library part NCV571_5P, "IC LIN VREG LDO 1.2V 150mA 1.5-5.5V SOT23-5", Temp Range="-40¡ã C to + 125¡ã C", 3D_Mechanical_Footprint_File=sot23-5, AGILE_PN=315-82406, CAD_APPROVED=Yes, CLASS=IC, HEIGHT=1.45MM, MFG_NAME01="ST MICROELECTRONICS", MFG_PN01=LD39015M12R, Part Reference=U10, PCB Footprint=sot23-5, RoHS=Yes, Temp_Range="-40¡ã C to + 125¡ã C"
Y1: library part XTAL_13Y, "XTAL 24MHZ 9pF -- SMT 3.2X2.5MM", AGILE_PN=230-77392, CAD_APPROVED=Yes, CLASS=IC, HEIGHT=0.60MM, MFG_NAME01="EPSON TOYOCOM CORPORATION", MFG_PN01="TSX-3225 24.0000MF15X-AC3", Part Reference=Y1, PCB Footprint=xtlosc4_3p2x2p5mm_sm, RoHS=Yes

## Via types
v1: diameter 12.01, hole 5.91, L1_TOP to L8_BOT, tented both sides, 409 vias
v2: diameter 16, hole 8, L1_TOP to L8_BOT, tented both sides, 329 vias
v3: diameter 10, hole 6, L1_TOP to L8_BOT, tented both sides, 205 vias
v4: diameter 16, hole 8, L1_TOP to L8_BOT, tented top, 52 vias

## Nets (pads, with @x,y where several pads share a name; then routed paths per layer and width w, separated by ;. In a path a pad name is that pad's centre, name@x,y a point inside that pad or via, vN(x,y) a via of type N, cw(c..) or ccw(c..) an arc to the next point about the centre after c; other vN are vias at no path point)
BOOT_MODE0: J4.98 R47.1 U1.G26 | length 2686.2
  L1_TOP w2.2: 1172.15,1298.74 1172.15,1304.87 1172.15,1311 1178.36,1317.21
  L1_TOP w3.37: 1166.62,1293.22 1172.15,1298.74 ; 1214.09,1326.74 1220.95,1326.74 1225.83,1331.62 1230.71,1336.5 v1@1235.58,1341.38
  L1_TOP w3.96: 1195.62,1321.97 1200.39,1326.74 1207.24,1326.74 1214.09,1326.74
  L1_TOP w4.54: U1.G26@1161.11,1287.7 1166.62,1293.22 ; 1178.36,1317.21 1184.61,1317.21 1190.86,1317.21 1195.62,1321.97
  L1_TOP w5.13: v1(1367.17,1715.26) 1367.17,1723.95 1367.17,1732.75
  L1_TOP w8.05: v1@1235.58,1341.38 v1(1235.91,1341.38) ; v3(1293.97,1947.75) 1297.01,1943.72 1367.17,1873.55 1367.17,1864.75 1367.17,1855.95 1367.17,1847.15 1367.17,1838.35 1367.17,1829.55 1367.17,1820.75 1367.17,1811.95 1367.17,1803.15 1367.17,1794.35 1367.17,1785.55 1367.17,1776.75 1367.17,1767.95 1367.17,1759.15 1367.17,1750.35 1367.17,1741.55 1367.17,1732.75
  L3_INNER1 w7.46: 1235.91,1357.6 1235.91,1365.71
  L3_INNER1 w8.05: v1(1194.67,2009.41) 1201.87,2002.21 1244.72,1959.36 1283.36,1959.36 1290.93,1951.79 v3(1293.97,1947.75) ; v1(1235.91,1341.38) 1235.91,1349.49 1235.91,1357.6 ; 1235.91,1365.71 1235.91,1373.83 1235.91,1381.94 1235.91,1390.05 1367.17,1521.32 v1(1367.17,1715.26)
  L8_BOT w3.37: 1901.29,1738.9 1906.76,1733.43
  L8_BOT w3.96: 1734.92,1426.14 1743.71,1426.14 1752.5,1426.14 1761.29,1426.14 1770.08,1426.14 1778.87,1426.14 1787.66,1426.14 1796.45,1426.14 ; 1857.98,1426.14 1866.77,1426.14 1872.87,1432.25 1878.98,1438.35 1885.09,1444.46 1891.19,1450.57 1897.3,1456.68 1903.41,1462.78 1909.52,1468.89 1915.62,1475 1915.62,1483.57 ; 1906.76,1687.04 1906.76,1694.77 1906.76,1702.5 1906.76,1710.23 1906.76,1717.97 1906.76,1725.7 1906.76,1733.43 ; 1915.62,1509.3 1915.62,1517.88
  L8_BOT w4.54: 1906.77,1687.04 1913.03,1680.77 1919.3,1674.5 1925.57,1668.23 1931.84,1661.96 1938.11,1655.69 1944.38,1649.42 1950.65,1643.15 1956.92,1636.88 1963.19,1630.61 1969.46,1624.35 1975.73,1618.08 1981.99,1611.81 1988.26,1605.54 1988.27,1598.03 ; 1915.62,1500.72 1915.62,1509.3
  L8_BOT w6.88: 1915.62,1483.57 1915.62,1492.15 1915.62,1500.72
  L8_BOT w7.46: 1895.82,1744.36 1901.29,1738.9
  L8_BOT w8.05: v1(1194.67,2009.41) 1203.09,2009.41 1443.43,2009.41 1703.01,1749.83 1890.35,1749.83 1895.82,1744.36 ; R47.1@1412.44,1363.33 1419.7,1365.5 1451.81,1365.5 1595.01,1508.71 1652.35,1508.71 1734.92,1426.14 ; 1796.45,1426.14 1805.24,1426.14 1814.03,1426.14 1822.82,1426.14 1831.61,1426.14 1840.4,1426.14 1849.19,1426.14 1857.98,1426.14 ; 1915.62,1517.88 1988.27,1590.52 1988.27,1598.03
BOOT_MODE1: J4.100 R79.1 U1.G27 | length 1233.9
  L1_TOP w2: 1251.73,1514.88 1258.03,1521.19 1264.34,1527.49 1270.64,1533.8 1276.95,1540.1 1283.26,1546.41 1289.56,1552.71 1295.87,1559.02 1302.17,1565.33 1308.48,1571.63 1314.78,1577.94 1321.09,1584.24 1327.39,1590.55 1333.7,1596.85 1340.01,1603.16 1346.31,1609.47 1352.62,1615.77 1358.92,1622.08 1365.23,1628.38 1371.53,1634.69 1377.84,1640.99
  L1_TOP w2.2: 1189.07,1289.41 1197.34,1291.13
  L1_TOP w2.79: U1.G27@1180.8,1287.7 1189.07,1289.41 ; 1205.61,1292.85 1213.87,1294.57 1222.08,1294.57 1230.29,1294.57 1238.49,1294.57 1246.7,1294.57
  L1_TOP w3.37: 1377.84,1640.99 1377.84,1649.8
  L1_TOP w3.96: 1377.84,1711.41 1377.84,1720.21
  L1_TOP w4.54: 1246.7,1294.57 1251.66,1299.54 ; 1371.92,1884.55 1377.84,1878.64 1377.84,1869.83 1377.84,1861.03 1377.84,1852.23 1377.84,1843.43 1377.84,1834.63 1377.84,1825.83 1377.84,1817.03 1377.84,1808.22 1377.84,1799.42 1377.84,1790.62 1377.84,1781.82 1377.84,1773.02 1377.84,1764.22 1377.84,1755.41 1377.84,1746.61 1377.84,1737.81 1377.84,1729.01 1377.84,1720.21 ; 1377.84,1649.8 1377.84,1658.6 1377.84,1667.4 1377.84,1676.2 1377.84,1685 1377.84,1693.8 1377.84,1702.61 1377.84,1711.41
  L1_TOP w5.13: 1197.34,1291.13 1205.61,1292.85
  L1_TOP w8.05: v1(1243.35,1506.5) 1251.73,1514.88 ; 1251.66,1299.54 1256.63,1304.5 1261.61,1309.47 v1(1266.11,1313.97) ; v3(1309.72,1947.75) 1312.76,1943.72 1318.67,1937.8 1324.59,1931.89 1330.51,1925.97 1336.42,1920.05 1342.34,1914.14 1348.26,1908.22 1354.17,1902.3 1360.09,1896.39 1366.01,1890.47 1371.92,1884.55
  L3_INNER1 w8.05: v1(1233.89,1264.4) 1233.89,1278 1258.14,1302.24 ; v1(1266.11,1313.97) 1258.14,1306 1258.14,1302.24 ; v1(1336.7,1268.95) 1336.7,1278.56 1313.02,1302.24 1258.14,1302.24
  L8_BOT w2.79: 1224.03,1299.49 1229.74,1305.19
  L8_BOT w3.37: 1215.8,1299.49 1224.03,1299.49 ; 1229.74,1305.19 1235.44,1310.9 1241.15,1316.6 1246.85,1322.31 1252.56,1328.01 1258.26,1333.72 1263.97,1339.42 1263.97,1342.73
  L8_BOT w8.05: 1215.8,1299.49 1201.7,1285.38 1201.7,1273.91 1211.21,1264.4 v1(1233.89,1264.4) ; v1(1243.35,1506.5) 1243.35,1381.47 1263.97,1360.84 1263.97,1342.73 ; v1(1336.7,1268.95) 1343.26,1275.52 1366.97,1299.22 1464.55,1299.22 R79.1@1467.33,1304.21
BT_WAKE_DEV: J8.1 U1.U26
  other v3: 1890.63,686.61
BT_WAKE_HOST: J8.3 U1.W27 | length 1044.3
  L1_TOP w2.2: 1236.76,1104.87 1244.78,1104.87 1252.8,1104.87
  L1_TOP w3.37: 1181.01,1057.14 1186.81,1062.94 1192.8,1068.93 ; 1222.75,1098.88 1228.74,1104.87 1236.76,1104.87
  L1_TOP w5.71: 1192.8,1068.93 1198.79,1074.92
  L1_TOP w7.46: 1252.8,1104.87 v1(1260.81,1104.87)
  L1_TOP w8.05: U1.W27@1180.8,1051.48 1181,1051.67 1181,1057.13 ; 1198.79,1074.92 1204.78,1080.91 1210.77,1086.9 1216.76,1092.89 1222.75,1098.88
  L3_INNER1 w3.96: 1296.95,1108.13 1302.21,1102.88 ; 1307.46,1097.62 1312.72,1092.37 1321.61,1092.37 1330.5,1092.37 1339.39,1092.37 1348.28,1092.37 1357.17,1092.37 1366.06,1092.37 1374.95,1092.37 1383.84,1092.37 1392.73,1092.37 1401.63,1092.37 1410.52,1092.37 1419.41,1092.37 1428.3,1092.37 1437.19,1092.37 1446.08,1092.37 1454.97,1092.37 1463.86,1092.37 1472.75,1092.37 1481.64,1092.37 1490.53,1092.37 1499.42,1092.37 1508.31,1092.37 1517.21,1092.37 1526.1,1092.37 1534.99,1092.37 1543.88,1092.37 1552.77,1092.37 1561.66,1092.37 1570.55,1092.37 1579.44,1092.37 1588.33,1092.37 1597.22,1092.37 1606.11,1092.37 1615,1092.37 1623.89,1092.37 1632.78,1092.37 1641.68,1092.37 1650.57,1092.37 1659.46,1092.37 1668.35,1092.37
  L3_INNER1 w4.54: v1(1260.81,1104.87) 1264.08,1108.13 1272.3,1108.13 1280.52,1108.13 1288.73,1108.13 1296.95,1108.13 ; 1302.21,1102.88 1307.46,1097.62
  L3_INNER1 w8.05: 1668.35,1092.37 1902.23,858.49 1902.23,688.91 1902.23,681.49 1894.67,673.92 v3(1890.63,670.87)
CLK_32K_OUT: R100.1 U8.7 | length 3338.6
  L1_TOP w4.54: 185.34,439.11 193.95,439.11 202.57,439.11 211.18,439.11 219.79,439.11 228.4,439.11 237.02,439.11 U8.7@245.63,439.11
  L1_TOP w5.71: 1488.22,1632.86 1488.22,1641.53 1488.22,1650.19 1488.22,1658.86 1488.22,1667.52 1488.22,1676.19 1488.22,1684.85 1488.22,1693.51 1488.22,1702.18 1488.22,1710.84 1488.22,1719.51 1488.22,1728.17 1488.22,1736.84 1488.22,1745.5 1488.22,1754.16 1488.22,1762.83 1488.22,1771.49 1488.22,1780.16 1488.22,1788.82 1488.22,1797.49 1488.22,1806.15 1488.22,1814.81 1488.22,1823.48
  L1_TOP w6.29: 1488.22,1632.86 1493.67,1627.41
  L1_TOP w6.88: v1(180.08,444.38) 185.34,439.11
  L1_TOP w7.46: 1504.57,1616.51 1510.02,1611.06
  L1_TOP w8.05: U8.7@245.63,439.11 254.24,439.11 U8.7@262.86,439.1 ; v1(1124.32,2000.76) 1131.39,1993.69 1153.2,1971.88 1339.81,1971.88 1341.27,1970.42 1488.22,1823.48 ; 1493.67,1627.41 1499.12,1621.96 1504.57,1616.51 ; 1510.02,1611.06 R100.1@1518.9,1602.17
  L8_BOT w4.54: 19.03,611.63 12.84,617.82 12.84,626.82 12.84,635.82 12.84,644.82 12.84,653.82 12.84,662.82 12.84,671.82 12.84,680.82 12.84,689.82 12.84,698.82 12.84,707.82 12.84,716.82 12.84,725.82 12.84,734.82 12.84,743.82 12.84,752.82 12.84,761.82 12.84,770.82 12.84,779.82 12.84,788.82 12.84,797.82 12.84,806.82 12.84,815.82 12.84,824.82 12.84,833.82 12.84,842.82 12.84,851.82 12.84,860.82 12.84,869.82 12.84,878.82 12.84,887.82 12.84,896.82 12.84,905.82 12.84,914.82 12.84,923.82 12.84,932.82 12.84,941.82 12.84,950.82 12.84,959.82 12.84,968.82 12.84,977.82 12.84,986.82 12.84,995.82 12.84,1004.82 12.84,1013.82 12.84,1022.82 12.84,1031.82 12.84,1040.82 12.84,1049.82 12.84,1058.82 12.84,1067.82 12.84,1076.82 12.84,1085.82 12.84,1094.82 12.84,1103.82 12.84,1112.82 12.84,1121.82 12.84,1130.82 12.84,1139.82 12.84,1148.82 12.84,1157.82 12.84,1166.82 12.84,1175.82 12.84,1184.82 12.84,1193.82 12.84,1202.82 12.84,1211.82 12.84,1220.82 12.84,1229.82 12.84,1238.82 12.84,1247.82 12.84,1256.82 12.84,1265.82 12.84,1274.82 12.84,1283.82 12.84,1292.82 12.84,1301.82 12.84,1310.82 12.84,1319.81 12.84,1328.81 12.84,1337.81 12.84,1346.81 12.84,1355.81 12.84,1364.81 12.84,1373.81 12.84,1382.81 12.84,1391.81 12.84,1400.81 12.84,1409.81 12.84,1418.81 12.84,1427.81 12.84,1436.81 12.84,1445.81 12.84,1454.81 12.84,1463.81 12.84,1472.81 12.84,1481.81 12.84,1490.81 12.84,1499.81 12.84,1508.81 12.84,1517.81 12.84,1526.81 19.19,1533.16 ; 99.55,531.11 105.75,524.92 ; 393.74,1907.71 400.08,1914.06